# Altium PCB Accumulator Management.PcbDoc (part 2 of 2)
Units mm, origin at the board's own origin, x right, y up, seen from the top; angles counter-clockwise.
Board outline 150 x 60 mm, 4 copper layers (Top Layer, 3.3V, GND, Bottom Layer 1), stack 0.603 mm thick; 185 components, 132 nets, 638 pads, 116 vias.
Unrouted connection lines stored in the file: 11.
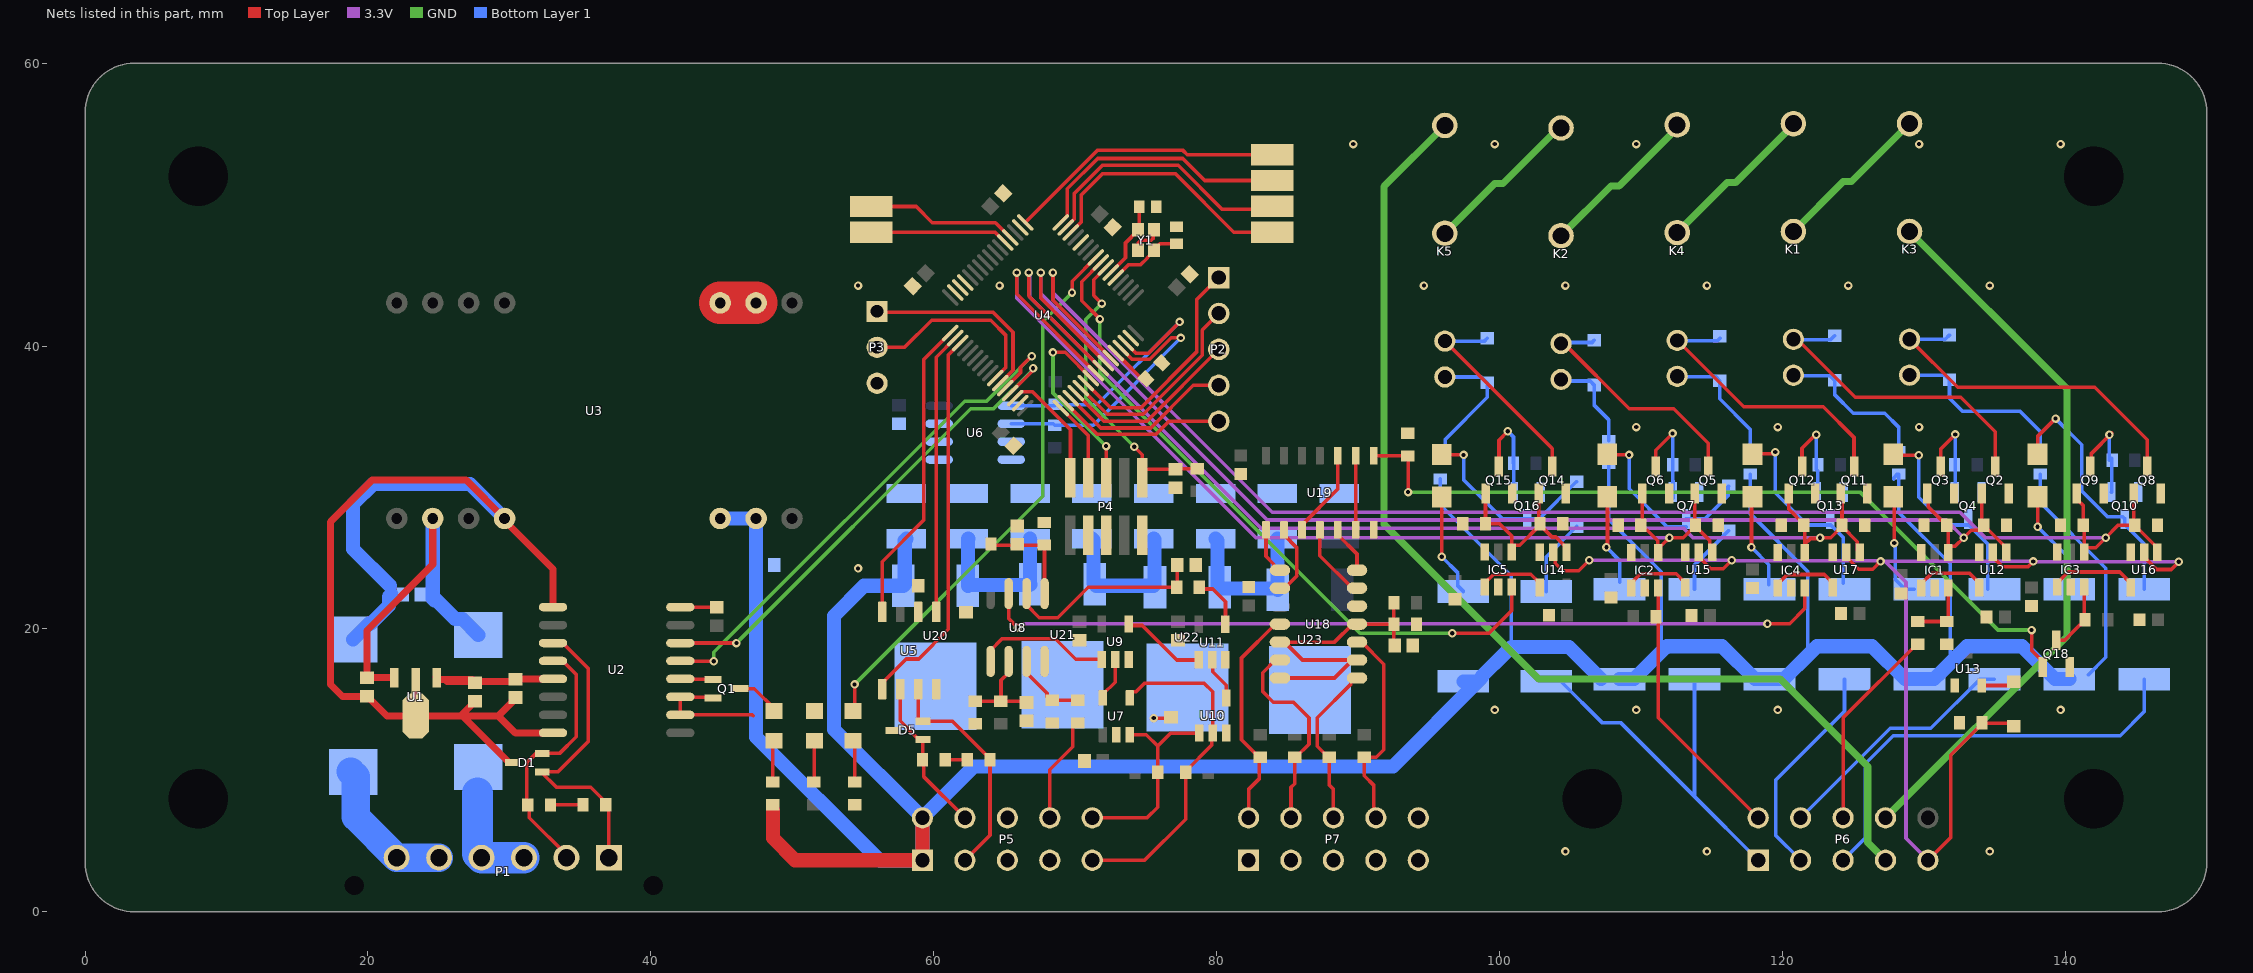
[diagram p4: the nets of this part, all layers, seen from the top]

## Via types
v1: diameter 0.6, hole 0.3, Top Layer to Bottom Layer 1, 116 vias

## Nets (pads, with @x,y where several pads share a name; then routed paths per layer and width w, separated by ;. In a path a pad name is that pad's centre, name@x,y a point inside that pad or via, vN(x,y) a via of type N, cw(c..) or ccw(c..) an arc to the next point about the centre after c; other vN are vias at no path point) (continued)
+5V: C37.2 C40.2 U22.3 U23.1 | length 11.3
  Bottom Layer 1 w1: C40.2@79.92,26.375 80.065,26.23 80.065,23.095 U22.3@80.21,22.95 80.298,22.862 84.228,22.862 U23.1@84.303,22.787 ; C37.2@84.292,26.375 84.303,26.363 U23.1@84.303,22.787 ; U23.1@84.315,22.775 U23.1@84.303,22.787
+9V: C36.2 C39.2 U21.3 U22.1 | length 10.9
  Bottom Layer 1 w1: C39.2@71.177,26.375 71.281,26.271 71.281,23.254 U21.3@71.385,23.15 71.485,23.05 75.54,23.05 75.594,23.104 75.594,26.329 C36.2@75.548,26.375
+12V: C35.2 C38.2 U20.3 U21.1 | length 11
  Bottom Layer 1 w1: U20.3@62.41,23.05 U20.3@62.422,23.062 ; C38.2@62.433,26.375 62.422,26.363 U20.3@62.422,23.062 ; C35.2@66.805,26.375 66.81,26.37 66.81,23.155 U21.1@66.815,23.15 66.765,23.1 62.46,23.1 U20.3@62.422,23.062
ADC1_0: pad.3@83.925,48.05 U4.14 | length 18.8
  Top Layer w0.254: U4.14@69.687,48.026 70.425,48.764 70.425,50.675 71.925,52.175 77.088,52.175 81.213,48.05 pad.3@83.925,48.05
ADC1_1: pad.3@83.925,49.875 U4.15 | length 18.8
  Top Layer w0.254: U4.15@69.334,48.38 69.936,48.982 69.936,50.786 71.925,52.775 77.275,52.775 80.375,49.675 83.725,49.675 pad.3@83.925,49.875
ADC1_2: pad.3@83.925,51.7 U4.16 | length 18.6
  Top Layer w0.254: U4.16@68.98,48.733 69.437,49.19 69.437,51.112 71.583,53.258 77.592,53.258 79.15,51.7 pad.3@83.925,51.7
ADC1_3: pad.3@83.925,53.525 U4.17 | length 19.7
  Top Layer w0.254: U4.17@66.47,48.733 71.561,53.825 77.613,53.825 77.913,53.525 pad.3@83.925,53.525
ADC1_4: pad.3@55.575,49.862 U4.20 | length 10.7
  Top Layer w0.254: pad.3@55.575,49.862 58.763,49.862 59.9,48.725 64.357,48.725 U4.20@65.409,47.673
ADC1_5: pad.3@55.575,48.05 U4.21 | length 9.8
  Top Layer w0.254: pad.3@55.575,48.05 64.325,48.05 U4.21@65.056,47.319
AMS: IC5.3 U4.8 | length 48
  Top Layer w0.254: v1(71.744,41.906) 70.45,43.2 70.45,44.546 U4.8@71.809,45.905 ; v1(96.65,19.694) 99.244,19.694 100.85,21.3 IC5.3@100.85,22.95
  GND w0.254: v1(71.744,41.906) 71.744,38.081 90.131,19.694 v1(96.65,19.694)
AMSOut: P6.1 R34.2 R59.2 | length 28.5
  Bottom Layer 1 w0.254: R59.2@103.289,16.298 104.314,16.298 107.229,13.383 108.542,13.383 113.775,8.15 ; R34.2@113.775,16.45 113.775,8.15 ; P6.1@118.275,3.65 113.775,8.15
AUX1: P2.5 U4.50 | length 12.1
  Top Layer w0.254: U4.50@69.334,35.97 71.554,33.75 75.7,33.75 76.632,34.682 P2.5@80.15,34.682
BMS: IC2.3 P6.2 R62.1 | length 19.2
  Top Layer w0.254: IC2.3@111.2,22.9 111.212,22.887 111.212,20.711 111.212,13.712 P6.2@118.275,6.65
BMS-MCU: IC2.4 Q5.1 Q6.1 R29.2 R31.2 U4.56 U15.1 | length 78
  Top Layer w0.254: v1(65.856,45.195) 65.856,43.691 U4.56@71.455,38.091 ; R31.2@109.975,27.325 R31.2@110.075,27.325 ; Q6.1@110.075,29.623 R31.2@110.075,27.325 ; IC2.4@111.2,25.4 IC2.4@111.2,25.7 ; IC2.4@111.2,25.45 IC2.4@111.2,25.7 ; R29.2@113.608,27.542 R29.2@113.85,27.3 ; Q5.1@113.8,29.698 113.8,27.825 R29.2@113.976,27.649 ; R29.2@113.85,27.325 R29.2@113.85,27.3 ; U15.1@115.025,25.1 U15.1@115.025,25.425 114.852,25.598 114.852,26.248 R29.2@113.85,27.25 ; R31.2@110.075,27.325 110.075,27.15 110.248,26.977 110.423,26.977 111.168,26.232 111.168,25.732 IC2.4@111.2,25.7 ; IC2.4@111.2,25.7 111.373,25.873 111.423,25.873 v1(112,26.45) 112.975,26.45 113.502,26.977 113.577,26.977 R29.2@113.85,27.25 ; R29.2@113.85,27.25 R29.2@113.85,27.3
  3.3V w0.254: v1(65.856,45.195) 65.856,43.369 82.775,26.45 v1(112,26.45)
BOOT: R7.2 U4.60 | length 2.2
  Top Layer w0.254: U4.60@72.869,39.506 U4.60@72.872,39.506 ; U4.60@73.329,39.049 73.345,39.049 74.709,37.684 R7.2@74.984,37.684
BSPD: IC4.3 U8.7 | length 60.3
  Top Layer w0.254: U8.7@65.287,22.502 65.287,20.737 v1(65.922,20.102) ; v1(118.925,20.375) 120.5,20.375 121.575,21.45 IC4.3@121.575,22.9
  3.3V w0.254: v1(65.922,20.102) 65.971,20.102 66.244,20.375 v1(118.925,20.375)
BSPD+: P5.10 R14.1 U7.3 U10.1 | length 15.1
  Top Layer w0.254: P5.10@71.2,6.65 75.075,6.65 75.825,7.4 R14.1@75.825,9.875 75.825,11.725 ; U7.3@73.85,12.12 U7.3@73.85,12.37 ; U7.3@73.85,12.525 75.025,12.525 75.825,11.725 ; U10.1@78.767,12.629 76.729,12.629 75.825,11.725
BSPD-: P5.9 R15.1 U7.4 U10.2 | length 24.3
  Top Layer w0.254: P5.9@71.2,3.65 74.9,3.65 77.8,6.55 R15.1@77.8,9.875 77.8,9.95 79.647,11.797 79.647,12.558 U10.2@79.717,12.629 79.717,15.558 79.125,16.15 74.875,16.15 74.273,15.548 74.023,15.548 73.85,15.375 U7.4@73.85,15.125
BSPD-MCU: IC4.4 Q11.1 Q12.1 R41.2 R44.2 U4.57 U17.1 | length 85.9
  Top Layer w0.254: v1(66.712,45.195) 66.712,43.541 U4.57@71.809,38.445 ; Q12.1@120.425,29.65 Q12.1@120.425,29.575 120.425,28.475 121.575,27.325 121.575,26 121.969,26.394 122.594,26.394 v1(122.65,26.45) 123.4,26.45 R41.2@124.2,27.25 ; Q11.1@124,29.6 124,29.2 124.2,29 R41.2@124.2,27.325 R41.2@124.2,27.25 ; U17.1@125.45,25.1 U17.1@125.45,25.425 125.277,25.598 125.277,26.173 R41.2@124.2,27.25
  3.3V w0.254: v1(66.712,45.195) 66.778,45.128 66.778,43.472 83.119,27.131 112.98,27.131 113.661,26.45 v1(122.65,26.45)
BSPDOut: P6.3 R47.2 | length 15.6
  Bottom Layer 1 w0.254: P6.3@121.275,3.65 119.503,5.422 119.503,9.303 124.375,14.175 R47.2@124.375,16.45
CAN2_RX: U4.33 U5.4 | length 21.7
  Top Layer w0.254: U5.4@56.355,21.2 56.355,24.756 59.3,27.701 59.3,39.053 U4.33@61.167,40.92
CAN2_TX: U4.34 U5.1 | length 19.9
  Top Layer w0.254: U5.1@60.165,21.2 60.165,39.211 U4.34@61.52,40.566
can2H: D5.2 P5.3 R9.1 U5.7 | length 16.3
  Top Layer w0.254: U5.7@58.895,15.75 58.895,13.598 59.018,13.475 D5.2@59.225,13.475 61.325,13.475 63.975,10.825 R9.1@63.975,10.75 63.975,5.425 P5.3@62.2,3.65
can2L: D5.1 P5.4 R8.2 U5.6 | length 11.2
  Top Layer w0.254: U5.6@57.625,15.75 57.625,13.5 58.827,12.298 58.95,12.175 D5.1@59.225,12.175 R8.2@59.225,10.375 ; R8.2@59.275,10.407 59.275,9.575 P5.4@62.2,6.65
canH: D1.2 P1.2 R2.1 U2.12 | length 18.6
  Top Layer w0.254: U2.12@33.08,17.736 33.78,17.736 34.73,16.786 34.73,12.39 33.54,11.2 32.225,11.2 31.875,11.2 31.23,10.555 31.23,7.556 31.412,7.373 31.412,6.648 34.03,4.031 P1.2@34.03,3.83
canL: D1.1 P1.1 R1.2 U2.11 | length 22.1
  Top Layer w0.254: U2.11@33.08,19.006 33.78,19.006 35.58,17.206 35.58,12.044 33.436,9.9 32.225,9.9 33.325,8.8 35.761,8.8 36.88,7.681 36.88,7.581 37.03,7.431 P1.1@37.03,3.83
CANRX: U2.5 U4.44 | length 37.2
  Top Layer w0.254: U2.5@42.08,17.736 42.09,17.726 44.43,17.726 v1(44.44,17.716) ; U4.44@65.056,37.031 66.125,38.101 66.125,38.494 66.91,39.279 v1(66.925,39.279)
  GND w0.254: v1(44.44,17.716) 44.44,18.359 45.369,19.288 62.181,36.1 63.731,36.1 66.737,39.106 66.752,39.106 v1(66.925,39.279)
CANTX: U2.6 U4.45 | length 35.4
  Top Layer w0.254: U2.6@42.08,19.006 v1(46.05,19.006) ; U4.45@65.409,36.677 66.953,38.221 66.953,38.359 v1(67.019,38.425)
  GND w0.254: v1(46.05,19.006) 62.611,35.567 64.219,35.567 67.019,38.367 v1(67.019,38.425)
"Current Signal": P5.8 R22.2 | length 7.6
  Top Layer w0.254: P5.8@68.2,6.65 68.2,10.05 69.827,11.677 69.827,13.077 70.1,13.35 R22.2@70.175,13.35
GND-LV: C5.2 C7.1 C8.1 C9.1 C10.1 C11.1 C12.1 C13.1 C14.1 C15.2 C16.2 C17.1 C18.1 C19.1 C20.1 C21.1 C22.1 C23.1 C24.1 C25.1 C26.1 C27.1 C28.1 C29.1 C30.1 C31.1 C32.2 C33.1 C34.1 C35.1 C36.1 C37.1 C38.1 C39.1 C40.1 C41.1 C42.1 C43.1 C44.1 C45.1 D2.1 D5.3 IC1.2 IC1.6 IC2.2 IC2.6 IC3.2 IC3.6 IC4.2 IC4.6 IC5.2 IC5.6 P3.3 P4.3 P4.5 P4.9 P5.5 P5.6 P5.7 P7.1 P7.3 P7.5 P7.7 P7.9 P7.10 Q1.2 Q2.2 Q3.2 Q4.2 Q5.2 Q6.2 Q7.2 Q8.2 Q9.2 Q10.2 Q11.2 Q12.2 Q13.2 Q14.2 Q15.2 Q16.2 Q18.2 R4.2 R7.1 R13.1 R17.1 R20.1 R21.1 R23.1 R25.1 R29.1 R31.1 R35.1 R37.1 R41.1 R42.1 R44.1 R53.1 R54.1 R56.1 R60.1 U2.2 U2.3 U3.2 U3.3 U4.12 U4.18 U4.31 U4.47 U4.63 U5.2 U5.8 U6.3 U6.4 U6.5 U6.6 U6.7 U7.2 U8.4 U9.3 U10.3 U11.3 U12.3 U13.1 U14.3 U15.3 U16.3 U17.3 U18.12 U19.7 U20.4 U21.4 U22.4 U23.4 Y1.2 Y1.4 | length 15
  Top Layer w0.254: Q1.2@44.405,15.131 44.373,15.163 42.112,15.163 U2.3@42.08,15.196 U2.2@42.08,13.926 47.174,13.926 47.225,13.875 ; Y1.2@74.423,46.813 Y1.2@74.423,46.763 74.45,46.79 74.45,47.301 74.637,47.488 75.376,47.488 75.525,47.637 75.525,48.165 Y1.4@75.573,48.213 ; v1(75.55,13.7) 76.715,13.7 C19.1@76.767,13.752
  Top Layer w3: U3.3@44.9,43.051 U3.2@47.44,43.051
  other v1: 104.65,4.275 114.65,4.275 134.65,4.275 99.65,14.275 109.65,14.275 119.65,14.275 139.65,14.275 54.65,24.275 109.65,34.275 119.65,34.275 129.65,34.275 54.65,44.275 64.65,44.275 94.65,44.275 104.65,44.275 114.65,44.275 124.65,44.275 134.65,44.275 89.65,54.275 99.65,54.275 109.65,54.275 129.65,54.275 139.65,54.275
GND-Therm: C1.1 C2.2 C3.2 C4.2 D1.3 F2.2 U1.2 U2.9 U2.16 U3.16 | length 82.8
  Top Layer w0.5: C1.1@19.925,15.225 18.2,15.225 17.35,16.075 17.35,27.575 20.3,30.525 26.946,30.525 U3.16@29.66,27.811 29.66,27.665 33.08,24.245 U2.9@33.08,21.546 ; C1.1@19.975,15.225 21.35,13.85 U1.2@23.375,13.85 26.55,13.85 ; C3.2@27.575,14.875 27.525,14.875 27.325,14.675 27.325,14.625 26.55,13.85 ; D1.3@30.325,10.55 29.975,10.55 26.675,13.85 ; C4.2@30.43,15.131 30.38,15.131 30.18,14.931 30.18,14.819 29.211,13.85 ; U2.16@33.08,12.656 33.068,12.643 30.418,12.643 29.211,13.85 ; 26.55,13.85 26.675,13.85 ; 26.675,13.85 29.211,13.85
  Bottom Layer 1 w1: F2.2@18.95,19.25 20.075,20.375 20.225,20.375 21.5,21.65 21.5,22.275 21.65,22.425 ; 21.55,23.05 18.95,25.65 18.95,28.825 20.375,30.25 27.221,30.25 U3.16@29.66,27.811
IMD: P6.6 R19.2 | length 14.5
  Top Layer w0.254: P6.6@124.275,6.65 124.275,13.725 129.475,18.925 R19.2@129.55,18.925
IMD-MCU: IC1.4 Q2.1 Q3.1 R23.2 R25.2 U4.58 U12.1 | length 94.4
  Top Layer w0.254: v1(67.569,45.195) 67.569,43.392 U4.58@71.704,39.257 ; Q3.1@130.225,29.575 130.282,29.518 130.282,28.643 131.252,27.673 131.327,27.673 131.6,27.4 R25.2@131.6,27.325 131.7,27.225 IC1.4@131.7,25.663 ; IC1.4@131.7,25.4 IC1.4@131.7,25.663 ; Q2.1@134.075,29.575 134.075,27.475 R23.2@134.225,27.325 R23.2@134.225,27.25 ; U12.1@135.8,25.425 135.8,25.75 134.573,26.977 134.498,26.977 R23.2@134.225,27.25 ; IC1.4@131.7,25.663 131.873,25.836 132.186,25.836 v1(132.8,26.45) 133.327,26.977 133.952,26.977 R23.2@134.225,27.25
  3.3V w0.254: v1(67.569,45.195) 67.569,43.706 83.575,27.7 131.55,27.7 v1(132.8,26.45)
IMDOut: P6.4 R28.2 | length 17.8
  Bottom Layer 1 w0.254: P6.4@121.275,6.65 127.6,12.975 130.475,12.975 133.95,16.45 R28.2@134.975,16.45
LBK2: U4.35 U5.5 | length 27.3
  Top Layer w0.254: U5.5@56.355,15.75 56.355,16.175 58.055,17.875 58.925,17.875 61.025,19.975 61.025,39.364 U4.35@61.874,40.213
LED: D4.2 U4.9 | length 39.2
  Top Layer w0.254: D4.2@54.3,14.2 54.4,14.3 v1(54.4,16.075) ; v1(69.769,43.775) 69.779,43.785 69.779,44.583 U4.9@71.455,46.259
  GND w0.254: v1(54.4,16.075) 67.7,29.375 67.7,41.706 v1(69.769,43.775)
NetC6_2: C6.2 U2.8 | length 2.6
  Top Layer w0.254: U2.8@42.08,21.546 44.645,21.546 C6.2@44.655,21.556
NetC22_2: C22.2 R16.1 U8.6 | length 14.3
  Top Layer w0.254: U8.6@66.557,22.502 66.557,21.702 67.457,20.802 68.767,20.802 70.917,22.952 R16.1@77.166,22.952 77.211,22.997 C22.2@77.211,24.527
NetC43_2: C43.2 R12.1 R13.2 U8.2 | length 6.3
  Top Layer w0.254: R13.2@62.925,14.9 R12.1@64.75,14.9 ; U8.2@65.287,17.702 65.287,16.902 64.75,16.365 R12.1@64.75,14.9 ; C43.2@66.2,14.8 66.1,14.9 R12.1@64.75,14.9
NetC44_2: C44.2 R17.2 R18.1 U8.5 | length 7.1
  Top Layer w0.254: R18.1@64.045,26.005 64.12,25.93 R17.2@67.797,25.93 ; U8.5@67.827,22.502 R17.2@67.827,25.806
NetC45_2: C45.2 R52.1 R53.2 U18.5 U18.7 U18.9 U18.11 | length 22.8
  Top Layer w0.254: U18.7@84.467,16.532 88.322,16.532 U18.9@89.592,17.802 ; U18.5@84.467,19.072 U18.5@84.792,19.072 ; U18.9@89.917,17.802 U18.9@89.592,17.802 ; R53.2@92.36,20.342 U18.11@89.917,20.342 89.592,20.342 88.322,19.072 U18.5@84.792,19.072 ; R52.1@92.525,21.867 R53.2@92.525,20.325 92.525,18.87 C45.2@92.57,18.825 ; U18.5@84.792,19.072 86.062,17.802 U18.9@89.592,17.802
NetD2_2: D2.2 R3.2 | length 2.9
  Top Layer w0.254: R3.2@51.525,9.175 51.55,9.2 D2.2@51.55,12.1
NetD3_1: D3.1 Q1.3 | length 3.1
  Top Layer w0.254: Q1.3@46.305,15.781 47.312,15.781 D3.1@48.775,14.318
NetD3_2: D3.2 R5.2 | length 3
  Top Layer w0.254: R5.2@48.625,9.175 48.625,12.025 D3.2@48.7,12.1
NetD4_1: D4.1 R4.1 | length 3
  Top Layer w0.254: D4.1@54.3,12.1 54.425,11.975 R4.1@54.425,9.175
NetD6_1: D6.1 U13.2 | length 2.5
  Top Layer w0.254: U13.2@134.08,16 136.002,16 136.425,16.423 D6.1@136.425,16.425
NetD7_1: D7.1 K1.A2 Q2.3 | length 22.5
  Top Layer w0.254: K1.A2@120.763,40.475 121.031,40.475 125.131,36.375 132.6,36.375 135.025,33.95 Q2.3@135.025,31.475
  Bottom Layer 1 w0.254: K1.A2@120.725,40.432 123.38,40.432 D7.1@123.675,40.727
NetD7_2: D7.2 K1.A1 R24.1 | length 11.3
  Bottom Layer 1 w0.254: K1.A1@120.763,37.935 120.798,37.9 123.352,37.9 D7.2@123.675,37.577 123.675,36.575 125.003,35.247 127.228,35.247 128.2,34.275 R24.1@128.2,32.55
NetD8_1: D8.1 Q4.3 R28.1 | length 14.4
  Top Layer w0.254: D8.1@127.825,31.825 128.275,32.275 v1(129.625,32.275)
  Bottom Layer 1 w0.254: v1(129.625,32.275) 129.625,29.3 131.575,27.35 133.15,27.35 133.298,27.202 134.5,26 R28.1@134.5,22.8
NetD8_2: D8.2 R27.1 | length 7
  Top Layer w0.254: D8.2@127.825,28.825 127.9,28.75 v1(127.9,26.075)
  Bottom Layer 1 w0.254: v1(127.9,26.075) 127.9,25.981 127.977,25.904 127.977,23.473 128.65,22.8 R27.1@129.295,22.8
NetD9_1: D9.1 K2.A2 Q5.3 | length 17.4
  Top Layer w0.254: K2.A2@104.338,40.175 104.55,40.175 109.15,35.575 112.3,35.575 114.75,33.125 Q5.3@114.75,31.598
  Bottom Layer 1 w0.254: K2.A2@104.175,40.25 106.525,40.25 D9.1@106.675,40.4
NetD9_2: D9.2 K2.A1 R30.1 | length 7.1
  Bottom Layer 1 w0.254: K2.A1@104.175,37.71 104.36,37.525 106.4,37.525 D9.2@106.675,37.25 106.675,35.825 107.7,34.8 R30.1@107.7,33.3
NetD10_1: D10.1 D17.2 Q7.3 | length 13.5
  Top Layer w0.254: D10.1@107.6,32.35 107.65,32.3 v1(109.15,32.3)
  Bottom Layer 1 w0.254: v1(109.15,32.3) 109.15,29.9 111.843,27.207 Q7.3@113.175,27.207 ; Q7.3@113.175,27.775 114.5,27.775 116.143,29.418 116.143,30.043 D17.2@116.2,30.1
NetD10_2: D10.2 R33.1 | length 6.5
  Top Layer w0.254: v1(107.55,25.769) 107.55,25.863 107.625,25.938 107.625,29.325 D10.2@107.6,29.35
  Bottom Layer 1 w0.254: v1(107.55,25.769) 108.475,24.844 R33.1@108.475,23.3
NetD11_1: D11.1 K3.A2 Q8.3 | length 24.6
  Top Layer w0.254: K3.A2@128.975,40.48 132.38,37.075 142.075,37.075 145.775,33.375 Q8.3@145.775,31.475
  Bottom Layer 1 w0.254: K3.A2@128.975,40.48 131.505,40.48 D11.1@131.8,40.775
NetD11_2: D11.2 K3.A1 R36.1 | length 13.1
  Bottom Layer 1 w0.254: K3.A1@128.975,37.94 131.485,37.94 D11.2@131.8,37.625 131.8,36.3 132.725,35.375 136.808,35.375 138.2,33.982 R36.1@138.2,32.55
NetD12_1: D12.1 Q10.3 R40.1 | length 18.4
  Top Layer w0.254: D12.1@138.025,32.35 138.025,33.604 v1(139.296,34.875)
  Bottom Layer 1 w0.254: v1(139.296,34.875) 141.15,33.021 141.15,29.752 142.966,27.936 144.039,27.936 Q10.3@144.2,27.775 144.2,27.375 145.575,26 R40.1@145.575,22.8
NetD12_2: D12.2 R39.1 | length 7.5
  Top Layer w0.254: v1(138.025,27.225) D12.2@138.025,29.35
  Bottom Layer 1 w0.254: v1(138.025,27.225) 140.225,25.025 140.225,22.85 R39.1@140.275,22.8
NetD13_1: D13.1 K4.A2 Q11.3 | length 20.4
  Top Layer w0.254: K4.A2@112.55,40.4 117.25,35.7 122.882,35.7 125.05,33.532 Q11.3@125.05,31.475
  Bottom Layer 1 w0.254: K4.A2@112.65,40.38 115.405,40.38 D13.1@115.575,40.55
NetD13_2: D13.2 K4.A1 R43.1 | length 8.9
  Bottom Layer 1 w0.254: K4.A1@112.65,37.84 115.26,37.84 D13.2@115.55,37.55 115.55,36.27 117.7,34.12 117.7,32.575 R43.1@117.725,32.55
NetD14_1: D14.1 Q13.3 R47.1 | length 13.9
  Top Layer w0.254: D14.1@117.875,32.35 117.9,32.375 119.256,32.375 119.381,32.5 v1(119.475,32.5)
  Bottom Layer 1 w0.254: v1(119.475,32.5) 119.475,29.625 121.75,27.35 123.4,27.35 123.548,27.202 124.3,26.45 R47.1@124.3,23.225
NetD14_2: D14.2 R46.1 | length 6.8
  Top Layer w0.254: v1(117.8,25.769) 117.8,29.275 D14.2@117.875,29.35
  Bottom Layer 1 w0.254: v1(117.8,25.769) 119.025,24.544 R46.1@119.025,23.125
NetD15_1: D15.1 K5.A2 Q14.3 | length 15.1
  Top Layer w0.254: K5.A2@96.125,40.35 103.725,32.75 Q14.3@103.725,31.475
  Bottom Layer 1 w0.254: K5.A2@96.125,40.35 98.925,40.35 D15.1@99.125,40.55
NetD15_2: D15.2 K5.A1 R55.1 | length 9.8
  Bottom Layer 1 w0.254: R55.1@95.8,32.2 95.875,32.2 96.148,32.473 96.148,33.398 99.125,36.375 D15.2@99.125,37.4 99.1,37.4 98.69,37.81 K5.A1@96.125,37.81
NetD16_1: D16.1 D18.2 Q16.3 | length 13.5
  Top Layer w0.254: D16.1@95.9,32.325 97.425,32.325 v1(97.45,32.3)
  Bottom Layer 1 w0.254: v1(97.45,32.3) 97.45,30.55 100.225,27.775 Q16.3@101.95,27.775 102.8,27.775 105.425,30.4 D18.2@105.45,30.4
NetD16_2: D16.2 R58.1 | length 7.3
  Top Layer w0.254: v1(95.9,25.1) D16.2@95.9,29.325
  Bottom Layer 1 w0.254: v1(95.9,25.1) 97.05,23.95 97.05,23.036 R58.1@97.438,22.648
NetD17_1: D17.1 R34.1 | length 5.2
  Bottom Layer 1 w0.254: R34.1@113.775,22.8 113.775,24.525 115.852,26.602 115.852,26.627 116.175,26.95 D17.1@116.2,26.95
NetD18_1: D18.1 R59.1 | length 5.5
  Bottom Layer 1 w0.254: R59.1@103.289,22.648 103.289,25.089 D18.1@105.45,27.25
NetF1_1: F1.1 P1.3 P1.4 | length 7.7
  Bottom Layer 1 w2.2: 27.75,8.417 27.75,4.111 P1.4@28.03,3.83 P1.3@31.03,3.83
NetF2_1: F2.1 P1.5 P1.6 | length 10.4
  Bottom Layer 1 w2: F2.1@18.775,9.925 19.147,9.553 19.147,6.714 P1.6@22.03,3.83 P1.5@25.03,3.83
NetIC1_1: IC1.1 U12.4 | length 5.3
  Top Layer w0.254: IC1.1@129.8,22.9 129.8,23.2 130.525,23.925 133.225,23.925 133.9,23.25 U12.4@133.9,22.925
NetIC1_3: IC1.3 R19.1 R20.2 | length 4.5
  Top Layer w0.254: R19.1@129.55,20.525 R20.2@131.6,20.525 131.7,20.625 IC1.3@131.7,22.9
NetIC2_1: IC2.1 U15.4 | length 5
  Top Layer w0.254: IC2.1@109.3,22.95 109.3,23.25 109.95,23.9 112.475,23.9 113.125,23.25 U15.4@113.125,22.925
NetIC3_1: IC3.1 U16.4 | length 6.4
  Top Layer w0.254: IC3.1@139.425,22.95 139.425,23.25 140.2,24.025 143.825,24.025 144.6,23.25 U16.4@144.6,22.925
NetIC3_3: IC3.3 Q18.3 R64.1 | length 5
  Top Layer w0.254: Q18.3@139.35,19.2 139.925,19.2 141.027,20.302 141.102,20.302 141.375,20.575 R64.1@141.375,20.65 ; R64.1@141.312,20.65 141.312,22.937 IC3.3@141.325,22.95
NetIC4_1: IC4.1 U17.4 | length 5
  Top Layer w0.254: IC4.1@119.675,22.9 119.675,23.2 120.325,23.85 122.95,23.85 123.55,23.25 U17.4@123.55,22.925
NetIC5_1: IC5.1 U14.4 | length 5
  Top Layer w0.254: IC5.1@98.95,22.95 98.95,23.25 99.575,23.875 102.2,23.875 102.825,23.25 U14.4@102.825,22.925
NetIC5_4: IC5.4 Q14.1 Q15.1 R54.2 R56.2 U14.1 | length 13.3
  Top Layer w0.254: Q15.1@99,29.575 R56.2@99,27.425 100,27.425 100.85,26.575 IC5.4@100.85,25.75 ; IC5.4@100.85,25.45 IC5.4@100.85,25.75 ; Q14.1@102.775,29.575 102.775,27.5 R54.2@102.85,27.425 R54.2@102.85,27.35 ; U14.1@104.725,25.425 104.725,25.75 103.975,26.5 103.7,26.5 R54.2@102.85,27.35 ; IC5.4@100.85,25.75 101.023,25.923 101.423,25.923 R54.2@102.85,27.35
NetP7_2: P7.2 R50.1 U18.4 | length 15.9
  Top Layer w0.254: P7.2@82.25,6.65 82.25,8.65 82.992,9.392 R50.1@82.992,10.927 ; R50.1@83.067,10.927 R50.1@82.992,10.927 ; U18.4@84.467,20.342 84.142,20.342 81.75,17.95 81.75,12.169 R50.1@82.992,10.927
NetP7_4: P7.4 R51.1 U18.6 | length 14.6
  Top Layer w0.254: U18.6@84.467,17.802 84.142,17.802 83.25,16.91 83.25,15.574 83.999,14.825 85.425,14.825 86.525,13.725 86.525,11.86 85.592,10.927 R51.1@85.517,10.927 85.517,9.067 85.25,8.8 P7.4@85.25,6.65
NetP7_6: P7.6 R49.1 U18.8 | length 11.7
  Top Layer w0.254: P7.6@88.25,6.65 88.25,8.675 87.967,8.958 R49.1@87.967,10.927 87.892,10.927 87.1,11.719 87.1,13.715 89.488,16.103 89.488,16.28 89.74,16.532 U18.8@89.917,16.532
NetP7_8: P7.8 R48.1 U18.10 | length 14.8
  Top Layer w0.254: U18.10@89.917,19.072 90.242,19.072 91.8,17.514 91.8,11.45 91.277,10.927 R48.1@90.417,10.927 90.417,9.633 91.113,8.937 91.113,6.787 P7.8@91.25,6.65
NetQ1_1: Q1.1 U2.4 | length 2.4
  Top Layer w0.254: U2.4@42.08,16.466 42.11,16.436 44.425,16.436 Q1.1@44.455,16.406
NetQ3_3: Q3.3 Q4.1 R26.1 | length 7.2
  Top Layer w0.254: Q3.3@131.175,31.475 131.175,32.725 v1(132.2,33.75)
  Bottom Layer 1 w0.254: Q4.1@132.2,29.25 132.2,31.175 v1(132.2,33.75)
NetQ6_3: Q6.3 Q7.1 R32.1 | length 7.4
  Top Layer w0.254: Q6.3@111.025,31.523 111.025,32.625 v1(112.225,33.825)
  Bottom Layer 1 w0.254: v1(112.225,33.825) 112.225,30.5 112.25,30.475 Q7.1@112.25,29.25
NetQ9_3: Q9.3 Q10.1 R38.1 | length 7.2
  Top Layer w0.254: Q9.3@141.75,31.475 141.832,31.557 141.832,32.407 v1@143.275,33.85
  Bottom Layer 1 w0.254: R38.1@143.087,31.925 143.087,33.713 v1(143.1,33.725) ; Q10.1@143.25,29.675 143.262,29.687 R38.1@143.262,32.05
NetQ12_3: Q12.3 Q13.1 R45.1 | length 7.2
  Top Layer w0.254: Q12.3@121.375,31.55 121.375,32.775 122.325,33.725 v1(122.375,33.725)
  Bottom Layer 1 w0.254: v1(122.375,33.725) 122.375,31.275 122.475,31.175 Q13.1@122.475,29.167
NetQ15_3: Q15.3 Q16.1 R57.1 | length 7.2
  Top Layer w0.254: Q15.3@99.95,31.475 99.95,33.35 v1(100.575,33.975)
  Bottom Layer 1 w0.254: v1(100.575,33.975) 100.975,33.575 R57.1@100.975,31.725 101,31.7 Q16.1@101,29.675
NetR1_1: R1.1 R2.2 | length 2.2
  Top Layer w0.254: R2.2@32.992,7.568 R1.1@35.117,7.568
  Top Layer w0.5: R2.2@32.98,7.556 R2.2@32.992,7.568 ; R1.1@35.117,7.568 R1.1@35.13,7.581
NetR8_1: R8.1 R9.2 | length 1.6
  Top Layer w0.254: R8.1@60.8,10.75 R9.2@62.375,10.75
NetR16_2: R16.2 U11.4 | length 3.9
  Top Layer w0.254: R16.2@78.766,22.952 78.891,22.827 79.717,22.827 80.617,21.927 U11.4@80.617,20.327
NetR21_2: R21.2 R22.1 U8.3 | length 5.4
  Top Layer w0.254: U8.3@66.557,17.702 66.557,16.902 68.002,15.457 68.002,15.223 68.275,14.95 R22.1@70.175,14.95
NetU7_5: U7.5 U9.2 | length 3.1
  Top Layer w0.254: U7.5@71.95,15.125 71.95,15.375 72.817,16.242 U9.2@72.817,17.852
NetU8_1: U8.1 U9.1 | length 8.8
  Top Layer w0.254: U8.1@64.017,18.502 64.817,19.302 68.592,19.302 70.042,17.852 U9.1@71.867,17.852
NetU9_4: U9.4 U11.1 | length 6
  Top Layer w0.254: U9.4@73.767,20.352 73.874,20.245 74.724,20.245 77.167,17.802 78.692,17.802 U11.1@78.717,17.827
NetU10_4: U10.4 U11.2 | length 3.1
  Top Layer w0.254: U11.2@79.667,17.827 79.724,17.77 79.724,16.97 80.667,16.027 U10.4@80.667,15.129
NetU18_1: U18.1 U19.1 | length 3.4
  Top Layer w0.254: U19.1@83.482,27.002 83.482,25.137 84.038,24.582 84.038,24.404 84.29,24.152 U18.1@84.467,24.152
NetU18_2: U18.2 U19.2 | length 5.2
  Top Layer w0.254: U18.2@84.467,22.882 84.792,22.882 85.642,23.732 85.642,25.762 84.752,26.652 U19.2@84.752,27.002
NetU18_13: U18.13 U19.4 | length 5.4
  Top Layer w0.254: U19.4@87.292,27.002 87.292,25.182 89.592,22.882 U18.13@89.917,22.882
NetU18_14: U18.14 U19.5 | length 3.4
  Top Layer w0.254: U19.5@88.562,27.002 88.562,26.652 89.917,25.297 U18.14@89.917,24.152
NetU19_3: U19.3 U19.10 | length 6.3
  Top Layer w0.254: U19.3@86.022,27.002 86.022,27.352 88.562,29.892 U19.10@88.562,32.252
NetU19_6: U19.6 U19.9 | length 5.2
  Top Layer w0.254: U19.6@89.832,27.002 U19.9@89.832,32.252
NRST: C7.2 P4.10 R6.2 U4.7 | length 20.7
  Top Layer w0.254: v1(71.875,43) 71.3,43.575 71.3,44.689 U4.7@72.162,45.551 ; v1(74.175,32.875) 74.733,32.317 74.733,31.505 74.958,31.28 C7.2@77.075,31.28 ; C7.2@77.075,31.325 R6.2@78.625,31.325
  GND w0.254: v1(71.875,43) 70.75,41.875 70.75,36.3 v1(74.175,32.875)
PDOC: Q18.1 R60.2 U19.8 | length 56.3
  Top Layer w0.254: U19.8@91.102,31.902 U19.8@91.102,32.252 R60.2@93.225,32.252 ; R60.2@93.225,32.275 93.252,32.275 93.525,32.002 v1(93.525,29.675) ; v1(137.6,19.925) 137.6,18.5 138.4,17.7 Q18.1@138.4,17.3
  GND w0.254: v1@93.5,29.675 125.475,29.675 135.225,19.925 v1(137.6,19.925)
PDOC-MCU: IC3.4 Q8.1 Q9.1 R35.2 R37.2 U4.59 U16.1 | length 103.9
  Top Layer w0.254: v1(68.425,45.195) 68.425,43.243 U4.59@72.516,39.152 ; Q9.1@140.8,29.575 140.8,29.175 141.25,28.725 R35.2@141.25,27.325 141.325,27.25 IC3.4@141.325,25.575 ; IC3.4@141.325,25.275 IC3.4@141.325,25.575 ; Q8.1@144.825,29.575 144.825,27.4 R37.2@144.9,27.325 ; U16.1@146.302,25.923 145.248,26.977 145.173,26.977 144.9,27.25 R37.2@144.9,27.325 ; IC3.4@141.325,25.575 141.498,25.748 142.135,25.748 v1(142.837,26.45) 143.712,27.325 R37.2@144.9,27.325
  3.3V w0.254: v1(68.425,45.195) 68.425,43.75 83.925,28.25 132.546,28.25 134.346,26.45 v1(142.837,26.45)
PDOCOut: P6.5 R40.2 | length 31
  Bottom Layer 1 w0.254: P6.5@124.275,3.65 125.852,5.227 125.852,10.477 127.825,12.45 143.865,12.45 145.575,14.16 R40.2@145.575,16.45
RESET: D6.2 P6.9 R42.2 U12.2 U14.2 U15.2 U16.2 U17.2 | length 94.7
  Top Layer w0.254: U14.2@103.775,25.425 103.94,25.26 103.94,24.635 104.45,24.125 105.6,24.125 v1(106.325,24.85) ; U15.2@114.075,25.425 114.075,25.1 114.925,24.25 115.8,24.25 v1(116.4,24.85) ; U17.2@124.5,25.425 124.5,25.1 125.375,24.225 126.375,24.225 v1(126.925,24.775) ; P6.9@130.275,3.65 131.875,5.25 131.875,11.075 134.1,13.3 R42.2@134.1,13.375 134.15,13.325 D6.2@136.425,13.325 ; U12.2@134.825,25.125 135.55,24.4 137.35,24.4 v1(137.725,24.775) ; U16.2@145.55,25.425 145.55,25.1 146.45,24.2 147.475,24.2 v1@147.884,24.609
  3.3V w0.254: v1(106.325,24.85) v1(116.4,24.85) 116.438,24.813 126.887,24.813 v1(126.925,24.775) 127.243,24.775 ; P6.9@130.275,3.65 128.725,5.2 128.725,23.293 127.243,24.775 ; v1(148,24.75) 147.987,24.763 137.737,24.763 v1(137.725,24.775) 127.243,24.775
S1: K2.11 K5.14 | length 11.4
  GND w0.5: K5.14@96.125,47.97 99.65,51.495 100.237,51.495 K2.11@104.338,55.595
S2: K2.14 K4.11 | length 11.4
  GND w0.5: K2.14@104.338,47.795 107.862,51.32 108.45,51.32 K4.11@112.55,55.42
S3: K1.11 K4.14 | length 11.4
  GND w0.5: K4.14@112.55,48.02 116.075,51.545 116.662,51.545 K1.11@120.763,55.645
S4: K1.14 K3.11 | length 11.4
  GND w0.5: K1.14@120.763,48.095 124.287,51.62 124.875,51.62 K3.11@128.975,55.72
S+: K5.11 P6.7 | length 78.4
  GND w0.5: K5.11@96.125,55.59 91.825,51.29 91.825,27.4 102.75,16.475 119.825,16.475 126.021,10.279 126.021,4.904 P6.7@127.275,3.65
S-: K3.14 P6.8 | length 51.4
  GND w0.5: P6.8@127.275,6.65 140.1,19.475 140.1,36.975 K3.14@128.975,48.1
SCL: R11.1 U4.61 U6.2 | length 19.7
  Top Layer w0.254: U4.61@73.223,39.859 74.007,39.075 75.275,39.075 76.775,40.575 v1(77.45,40.575)
  Bottom Layer 1 w0.254: U6.2@65.475,34.51 68.45,34.51 R11.1@68.55,34.41 71.285,34.41 v1(77.45,40.575)
SDA: R10.1 U4.62 U6.1 | length 19.4
  Top Layer w0.254: U4.62@73.576,40.213 74.289,39.5 75.175,39.5 v1(77.375,41.7)
  Bottom Layer 1 w0.254: U6.1@65.475,35.78 68.53,35.78 68.6,35.85 71.525,35.85 v1(77.375,41.7)
SPI_MISO: P2.3 U4.52 | length 13
  Top Layer w0.254: U4.52@70.041,36.677 72.047,34.671 75.059,34.671 P2.3@80.15,39.762
SPI_MOSI: P2.2 U4.53 | length 14.5
  Top Layer w0.254: U4.53@70.394,37.031 72.25,35.175 74.8,35.175 78.975,39.35 78.975,41.127 P2.2@80.15,42.302
SPI_NSS: P2.1 U4.54 | length 16.1
  Top Layer w0.254: U4.54@70.748,37.384 72.507,35.625 74.625,35.625 78.575,39.575 78.575,43.267 P2.1@80.15,44.842
SPI_SCK: P2.4 U4.51 | length 12.6
  Top Layer w0.254: U4.51@69.687,36.324 71.807,34.204 75.329,34.204 78.347,37.222 P2.4@80.15,37.222
SWCLK: P4.4 U4.49 | length 5.6
  Top Layer w0.254: U4.49@69.107,35.487 69.11,35.487 70.93,33.667 P4.4@70.93,30.685
SWDIO: P4.2 U4.46 | length 8.6
  Top Layer w0.254: U4.46@65.763,36.324 66.22,36.78 66.429,36.78 66.43,36.782 66.96,36.782 67.2,36.542 69.66,34.082 P4.2@69.66,30.685
SWDTRACE: P4.6 U4.55 | length 13.9
  Top Layer w0.254: v1(68.425,39.55) 69.289,39.55 U4.55@71.101,37.738 ; v1(72.175,32.925) 72.188,32.912 72.188,30.698 P4.6@72.2,30.685
  GND w0.254: v1(68.425,39.55) 68.425,36.675 v1(72.175,32.925)
Therm5V: C3.1 C4.1 U1.1 U2.13 | length 10.5
  Top Layer w0.5: U1.1@24.825,16.6 U1.1@24.875,16.55 ; U1.1@24.925,16.5 24.925,16.425 25.574,16.425 27.375,16.425 C3.1@27.575,16.225 ; 25.574,16.275 27.375,16.275 29.887,16.275 29.893,16.281 30.23,16.281 30.43,16.481 30.445,16.466 U2.13@33.08,16.466
Therm12V: C1.2 C2.1 F1.2 U1.3 U3.14 | length 25.1
  Top Layer w0.5: U1.3@21.875,16.55 21.863,16.562 19.938,16.562 19.925,16.575 19.925,19.9 24.58,24.555 U3.14@24.58,27.811
  Bottom Layer 1 w1: U3.14@24.58,27.811 24.58,22.145 24.7,22.025 24.85,22.025 26.175,20.7 26.675,20.7 F1.2@27.8,19.575
TIM2_C3: U4.29
TIM2_C4: U4.30
UART1_RX: P3.1 U4.43 | length 14.2
  Top Layer w0.254: P3.1@55.991,42.39 64.185,42.39 65.6,40.975 65.6,38.282 U4.43@64.702,37.384
UART1_TX: P3.2 U4.42 | length 13.4
  Top Layer w0.254: P3.2@56.3,39.91 57.931,39.91 59.846,41.825 64.025,41.825 65.1,40.75 65.1,38.489 U4.42@64.349,37.738
Vdd: C5.1 C34.2 P5.1 P5.2 R5.1 R24.2 R27.2 R30.2 R33.2 R36.2 R39.2 R43.2 R46.2 R55.2 R58.2 U3.22 U3.23 U20.1 | length 248.3
  Top Layer w1: 48.625,7.175 48.625,5.225 50.2,3.65 P5.1@59.2,3.65 P5.2@59.2,6.65
  Bottom Layer 1 w0.254: R55.2@95.8,30.6 95.8,28.775 100.825,23.75 100.825,18.725 ; 100.25,18.424 100.387,18.287 ; R30.2@107.7,31.7 107.7,27.75 111.412,24.038 111.412,18.775 111.412,18.362 ; R43.2@117.725,30.95 117.725,28.125 121.787,24.063 121.787,18.327 ; R24.2@127.852,30.602 127.852,30.677 128.125,30.95 R24.2@128.2,30.95 128.2,28.25 131.85,24.6 131.85,17.625 131.862,17.613 ; R27.2@129.675,16.45 130.32,16.45 R27.2@130.993,17.123 ; R36.2@138.2,30.95 138.2,28.95 142.85,24.3 142.85,18 R39.2@141.6,16.75
  Bottom Layer 1 w1: U3.22@44.9,27.811 U3.23@47.44,27.811 47.44,24.575 47.44,12.36 56.15,3.65 P5.1@59.2,3.65 P5.2@59.2,6.65 ; C34.2@58.062,26.375 57.951,26.264 57.951,23.161 U20.1@57.84,23.05 55.075,23.05 52.95,20.925 52.95,12.9 P5.2@59.2,6.65 ; R58.2@97.438,16.298 98.463,16.298 98.763,16.598 98.763,16.663 100.387,18.287 100.825,18.725 104.9,18.725 R33.2@107.175,16.45 ; R58.2@98.625,16.45 92.45,10.275 62.825,10.275 P5.2@59.2,6.65 ; R33.2@108.475,16.45 109.5,16.45 111.412,18.362 111.825,18.775 115.725,18.775 118.05,16.45 R46.2@119.075,16.45 120.1,16.45 121.882,18.232 122.425,18.775 126.325,18.775 128.65,16.45 R27.2@129.675,16.45 130.7,16.45 131.183,16.933 131.862,17.613 133.025,18.775 136.925,18.775 139.25,16.45 R39.2@140.275,16.45
XTAL1: C15.1 U4.6 Y1.1 | length 5.5
  Top Layer w0.254: U4.6@72.516,45.198 73.549,46.231 73.549,47.289 74.423,48.163 Y1.1@74.423,48.213 74.525,48.315 C15.1@74.525,49.85
XTAL2: C16.1 U4.5 Y1.3 | length 5.3
  Top Layer w0.254: U4.5@72.869,44.844 73.783,45.758 74.639,45.758 75.096,46.214 75.096,46.236 75.573,46.713 Y1.3@75.573,46.763 75.573,46.813 75.985,47.225 C16.1@77.15,47.225
pads on no net: P1.MH1 P1.MH2 P4.7 P4.8 U2.1 U2.10 U2.14 U2.15 U3.1 U3.9 U3.10 U3.11 U3.12 U3.13 U3.15 U3.24 U4.1 U4.2 U4.3 U4.4 U4.10 U4.11 U4.22 U4.23 U4.24 U4.25 U4.26 U4.27 U4.28 U4.36 U4.37 U4.38 U4.39 U4.40 U4.41 U19.11 U19.12 U19.13

## Polygon pours and split planes (outlines as drawn)
GND-LV on Bottom Layer 1 "+-" (solid, pour order 56): 46.33,53.456 46.33,59.654 149.997,59.627 149.997,0.581 46.33,0.581
+3.3V on Bottom Layer 1 "+3.3V_L04_P040" (solid, pour order 40): 90.375,35.275 84.875,35.275 84.875,45.1 90.375,45.1
+3.3V on 3.3V "3.3V-+3.3V" (solid, pour order 49): 46.355,13.481 46.355,0.656 48.03,0.656 150,0.656 150,59.631 46.355,59.631
GND-LV on GND "GND-GND-LV" (solid, pour order 51): 46.38,0.656 48.042,0.656 150,0.656 150,59.631 47.03,59.631 46.38,59.631 46.38,13.506
GND-LV on Top Layer "GND-LV_L01_P055" (solid, pour order 55): 46.203,0.639 46.203,59.656 149.873,59.656 149.873,0.63

## Silkscreen, mask and mechanical layers (free items; w line width, h text height)
Top Overlay:
  drawing of 45 lines, arcs and shapes, not listed
  text "GLV" at 39.355,58.406 h5 r270
  text "WARNING / TRACTIVE VOLTAGE" at 18.33,48.131 h4
  text "NSS" at 81.925,44.575 h1
  text "MOSI" at 81.925,41.954 h1
  text "RX" at 59.575,41.95 h1
  text "Insert CPU here" at 65.301,39.95 h2
  text "TX" at 59.475,39.575 h1
  text "MISO" at 81.925,39.333 h1
  text "SCK" at 81.925,36.712 h1
  text "AMS" at 97.65,34.297 h2
  text "BMS" at 108.085,34.297 h2
  text "BSPD" at 118.388,34.297 h2
  text "PDOC" at 139.35,34.297 h2
  text "IMD" at 129.683,34.275 h2
  text "AUX1" at 81.9,34.1 h1
  text "Editor's note:  / 12V means Twelve Volts" at 5.4,22.1 h1
  text "GND" at 6.305,19.231 h1 r90
  text "GND" at 7.45,19.231 h1 r90
  text "12V" at 8.595,19.231 h1 r90
  text "12V" at 9.74,19.231 h1 r90
  text "CanH" at 10.885,19.231 h1 r90
  text "CanL" at 12.03,19.231 h1 r90
  text "Vdd" at 111.894,14.95 h1 r90
  text "CanL" at 112.941,14.95 h1 r90
  text "GND" at 113.988,14.95 h1 r90
  text "Current" at 115.034,14.95 h1 r90
  text "BSPD+" at 116.081,14.95 h1 r90
  text "PDOC" at 117.68,14.95 h1 r90
  text "PDOC" at 118.724,14.95 h1 r90
  text "PDOC" at 119.768,14.95 h1 r90
  text "PDOC" at 120.812,14.95 h1 r90
  text "GND" at 121.856,14.95 h1 r90
  text "BMS IN" at 123.605,14.95 h1 r90
  text "IMD LED" at 124.596,14.95 h1 r90
  text "IMD IN" at 125.587,14.95 h1 r90
  text "Safety-" at 126.777,14.95 h1 r90
  text "Reset 3.3V" at 127.781,14.95 h1 r90
  text "Vdd" at 111.894,9.623 h1 r90
  text "CanH" at 112.941,9.623 h1 r90
  text "GND" at 113.988,9.623 h1 r90
  text "GND" at 115.034,9.623 h1 r90
  text "BSPD-" at 116.081,9.623 h1 r90
  text "GND" at 117.68,9.623 h1 r90
  text "GND" at 118.724,9.623 h1 r90
  text "GND" at 119.768,9.623 h1 r90
  text "GND" at 120.812,9.623 h1 r90
  text "GND" at 121.856,9.623 h1 r90
  text "AMS LED" at 123.605,9.623 h1 r90
  text "BSPD LED" at 124.605,9.623 h1 r90
  text "PDOC LED" at 125.604,9.623 h1 r90
  text "Safety+" at 126.781,9.623 h1 r90
  text "Reset GND" at 127.781,9.623 h1 r90
  text "GLV" at 39.43,9.531 h1.5
  text "GLV" at 44.025,4.025 h1.5 r270
  text "MCU" at 55.212,2.625 h1.52 r90
  text "3.3V" at 52.383,2.303 h1.52 r90
  text "Iso Power" at 49.55,1.15 h1.52 r90
  text "HIGH VOLTAGE" at 42.3,0.675 h1.5 r90
Bottom Overlay:
  drawing of 21 lines, arcs and shapes, not listed
  text "It is sometimes hard to remember how easy life was, before the world changed" at 127.975,50.4 h2
  text "2021 UWA Motorsports / Accumulator Management System" at 87.625,49.525 h3
  text "GLV" at 41.03,49.206 h5 r270
  text "WARNING / TRACTIVE VOLTAGE" at 34.83,48.081 h4
  text "GLV" at 42.63,9.606 h1.5
  text "HIGH VOLTAGE" at 42.305,9.306 h1.5 r90
  text "GLV" at 44.075,1.025 h1.5 r270
Hole Guides:
  circle w0.254: c106.559,8 r8
  circle w0.254: c8.016,52 r5
  circle w0.254: c8,52 r8
  circle w0.254: c142,52 r5
  circle w0.254: c141.984,52 r8
  circle w0.254: c106.575,8 r5
  circle w0.254: c7.984,8 r8
  circle w0.254: c8,8 r5
  circle w0.254: c142,8 r5
  circle w0.254: c142,8 r8
  lines w0.254: 0,8 ccw(c8,8) 8,0 ; 0,52 cw(c8,52) 8,60 ; 142,0 ccw(c142,8) 150,8.001 ; 142,60 cw(c142,52) 150,52
Top Assembly:
  lines w0.254: 75.95,40.55 75.975,43.525
Board Shape:
  lines w0.254: 149.997,56.503 ccw(c146.5,56.503) 146.5,60 3.5,60 ccw(c3.5,56.5) 0,56.5 0,3.5 ccw(c3.5,3.5) 3.5,0 146.5,0 ccw(c146.5,3.5) 150,3.5 150,56.503